# Altium PCB DDW_pcb.PcbDoc
Units mil, origin at the board's own origin, x right, y up, seen from the top; angles counter-clockwise.
Board outline 3622.05 x 2440.94 mil, 2 copper layers (Top Layer, Bottom Layer); 95 components, 67 nets, 383 pads, 160 vias.
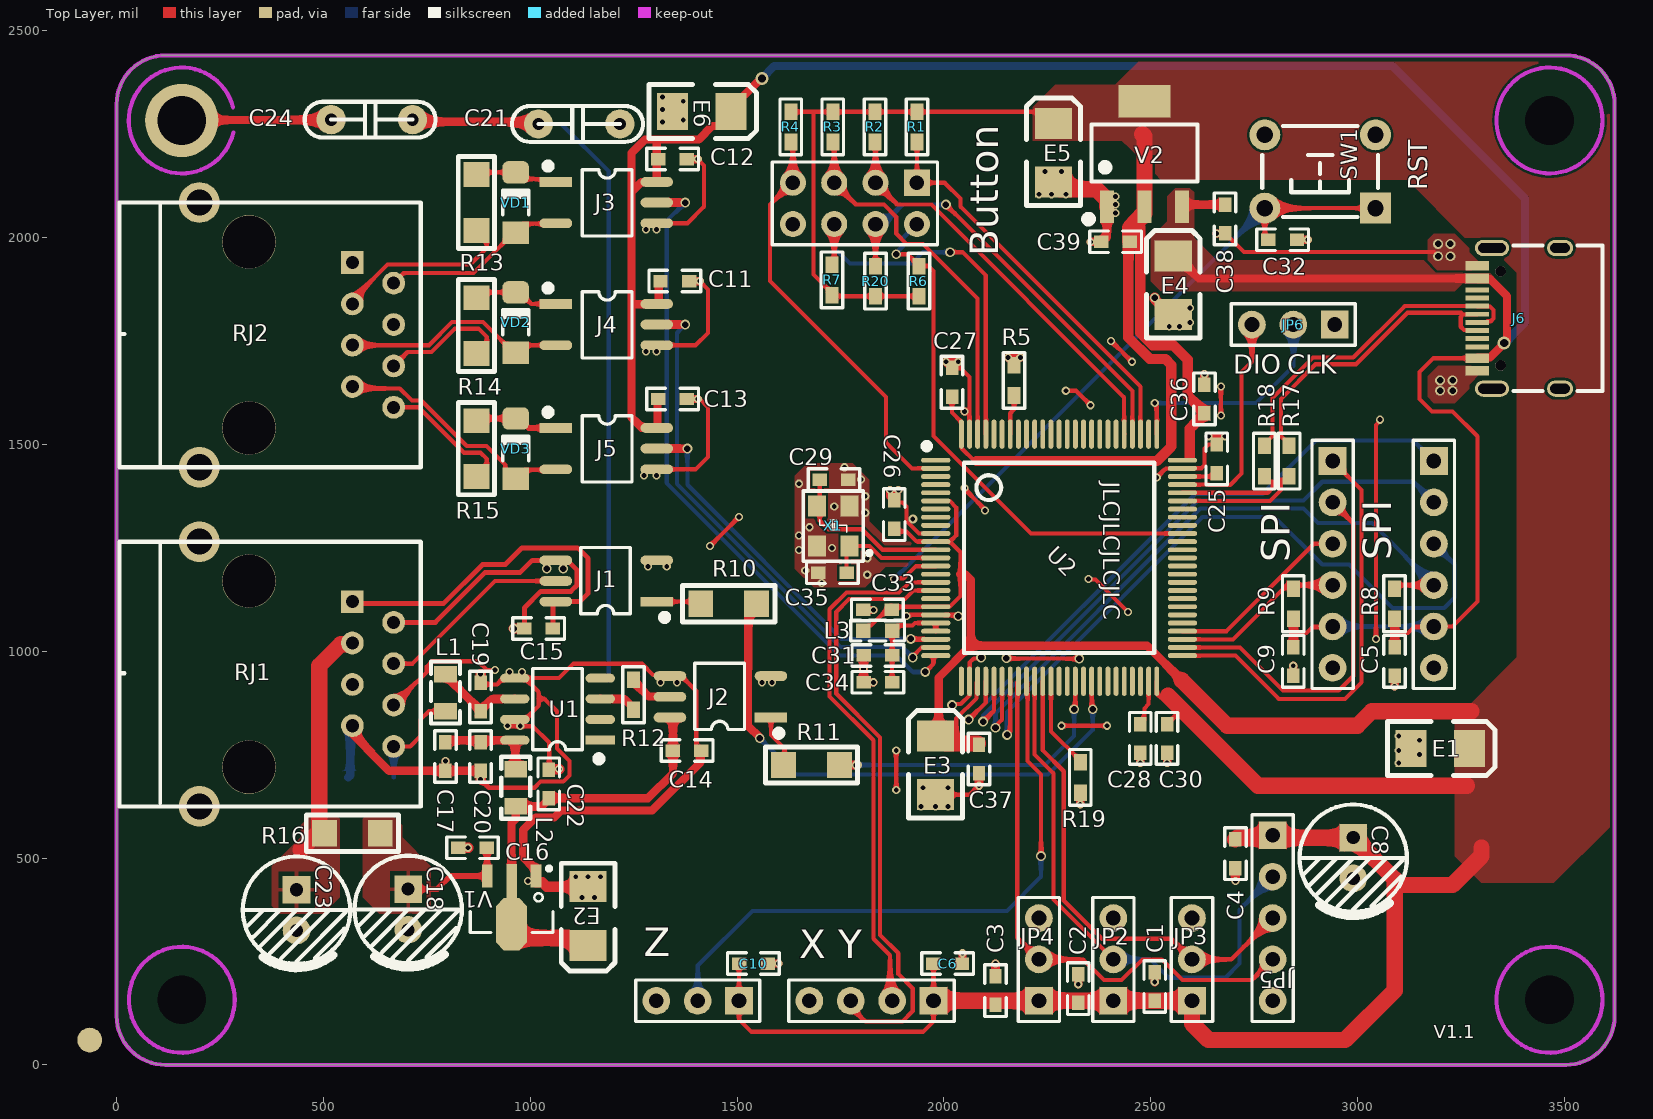
[diagram p0: Top Layer view]
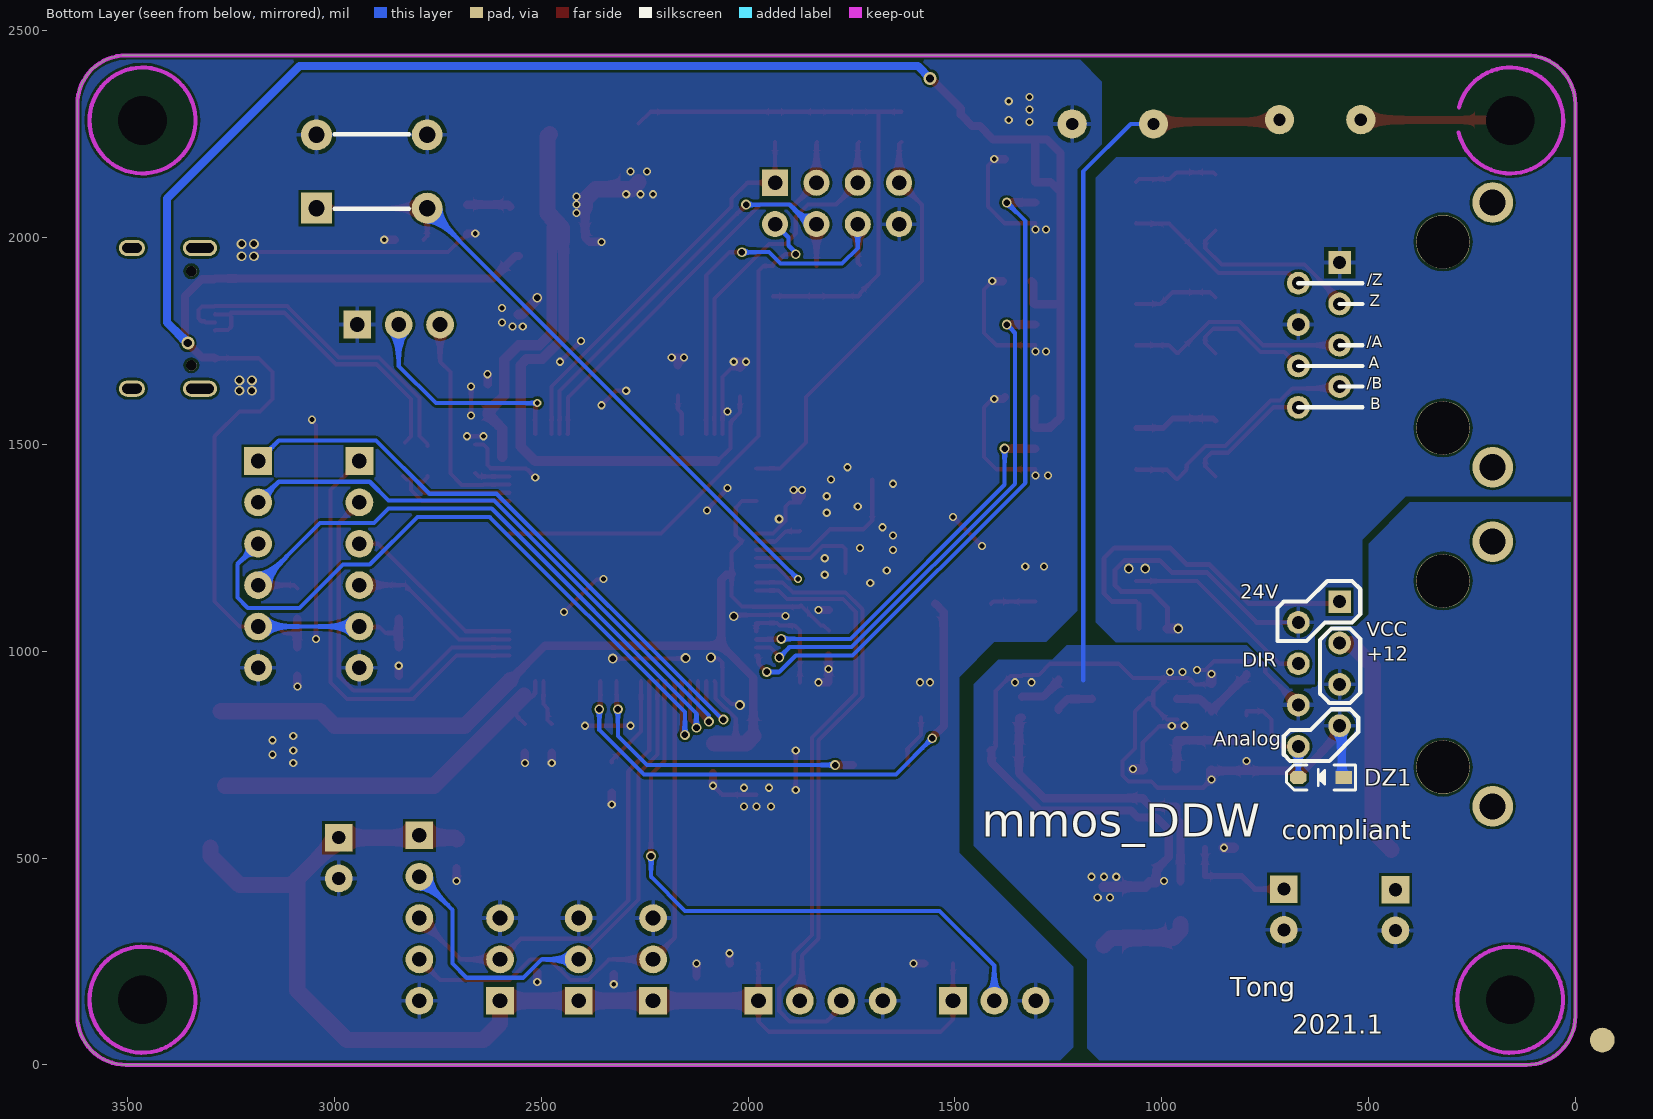
[diagram p1: Bottom Layer view, seen from below]

## Layer stack, top to bottom
Top Solder: solder mask 0.4, Solder Resist, Dk 3.5
Top Layer: signal copper 1.4
Dielectric 1: dielectric 12.6, FR-4, Dk 4.8
Bottom Layer: signal copper 1.4
Bottom Solder: solder mask 0.4, Solder Resist, Dk 3.5

## Board outline
0,118.11 ccw(c118.11,118.11) 118.11,0 3503.94,0 ccw(c3503.94,118.11) 3622.05,118.11 3622.05,2322.83 ccw(c3503.94,2322.83) 3503.94,2440.94 118.11,2440.94 ccw(c118.11,2322.83) 0,2322.83

## Design rules (kind name [scope] priority, off if disabled: settings)
Clearance [All] p1: gap=6 ignorepadtopadclearanceinfootprint=TRUE
PolygonConnect [All] p1: thpad.connectstyle=Relief thpad.reliefconductorwidth=10 thpad.reliefentries=4 thpad.polygonreliefangle="90 Angle" thpad.airgapwidth=10 smdpad.connectstyle=Direct smdpad.reliefconductorwidth=10 smdpad.reliefentries=4 smdpad.polygonreliefangle="90 Angle" smdpad.airgapwidth=10 via.connectstyle=Direct via.reliefconductorwidth=10 via.reliefentries=4 via.polygonreliefangle="90 Angle" via.airgapwidth=10
RoomDefinition DDW_sch [InComponentClass('DDW_sch')] p1: confinementstyle=ConfineIn formatcopy=TRUE lockcomponents=FALSE outline -910,-506.57 -1481,-506.57 -1481,385 -910,385
RoutingVias [All] p1: holewidth=28 width=50 viastyle="Through Hole" minholewidth=28 minwidth=50 maxholewidth=28 maxwidth=50
SolderMaskExpansion [All] p1: expansion=4
Width [All] p1: maxlimit=39.37 minlimit=10 preferedwidth=13.78
30 further rules are at their usual default settings.

## Components (designator, comment, footprint, x,y, rotation, side; value= is the part's Value field where it differs from the comment)
Button "Header 4X2" HDR-4X2 1935,2132.87 r180 top (schematic designator JP1)
C1 "104" "C 0603" 2510,190 r90 top
C2 "104" "C 0603" 2325,185 r90 top
C3 "104" "C 0603" 2125,180 r90 top
C4 "104" "C 0603" 2705,510 r270 top
C5 "104" "C 0603" 3090,975 r270 top
C6 "104" "C 0603" 2010,245 r0 top
C8 "470UF/10V" "CAP 2.5*6.3*11.2" 2990,500 r270 top
C9 "104" "C 0603" 2845,975 r270 top
C10 "104" "C 0603" 1540,245 r0 top
C11 "104" "C 0603" 1350,1895 r0 top
C12 "104" "C 0603" 1345,2190 r0 top
C13 "104" "C 0603" 1345,1610 r0 top
C14 "104" "C 0603" 1380,760 r0 top
C15 "104" "C 0603" 1020,1055 r180 top
C16 "104" "C 0603" 860,525 r180 top
C17 "4.7u" "C 0603" 795,745 r270 top
C18 "100UF/35V" "CAP 2.5*6.3*11.2" 705,375.79 r270 top
C19 "104" "C 0603" 880,890 r90 top
C20 "104" "C 0603" 880,745 r270 top
C21 "104" Y 1216.42,2274.57 r180 top
C22 "104" "C 0603" 1045,680 r90 top
C23 "100UF/35V" "CAP 2.5*6.3*11.2" 435,374.21 r270 top
C24 "104" Y 715,2285 r180 top
C25 "2.2u" "C 0603" 2660,1465 r270 top
C26 "104" "C 0603" 1880,1330 r270 top
C27 "104" "C 0603" 2020,1650 r270 top
C28 "2.2u" "C 0603" 2475,790 r90 top
C29 "10p" "C 0603" 1735,1415 r0 top
C30 "104" "C 0603" 2540,790 r90 top
C31 "104" "C 0603" 1840,990 r180 top
C32 "104" "C 0603" 2820,1995 r0 top
C33 "104" "C 0603" 1840,1100 r0 top
C34 "105" "C 0603" 1840,925 r180 top
C35 "10p" "C 0603" 1730,1190 r180 top
C36 "104" "C 0603" 2630,1610 r270 top
C37 "104" "C 0603" 2085,740 r90 top
C38 "104" "C 0603" 2680,2045 r270 top
C39 "104" "C 0603" 2415,1990 r180 top
DZ1 "SDxx" SOD-323 615,695 r0 bottom
E1 "10uF/10V" "CD B(3528)" 3200,765 r180 top
E2 "10uF/10V" "CD B(3528)" 1140,360 r90 top
E3 "10uF/10V" "CD B(3528)" 1980.01,724.13 r270 top
E4 "106" "CD B(3528)" 2555,1885 r270 top
E5 "106" "CD B(3528)" 2265,2205 r270 top
E6 "106" "CD B(3528)" 1415,2305 r180 top
J1 "TLP1788" SOP5 1184,1170 r180 top
J2 "TLP1788" SOP5 1460,890 r180 top
J3 "TLP1788" SOP5 1184,2085 r0 top
J4 "TLP1688" SOP5 1184,1790 r0 top
J5 "TLP1688" SOP5 1184,1490 r0 top
J6 "Typec16" "typec 16p" 3592.36,1805.08 r90 top
JP2 "HDR-1X3" HDR-1X3 2410,155 r90 top
JP3 "HDR-1X3" HDR-1X3 2600,155 r90 top
JP4 "HDR-1X3" HDR-1X3 2230,155 r90 top
JP5 "HDR-1X5" HDR-1X5 2795,555 r270 top
JP6 "HDR-1X3" HDR-1X3 2945,1790 r180 top
L1 "Bead" "L 0805" 795,900 r270 top
L2 "Bead" "L 0805" 965,670 r270 top
L3 "Bead" "L 0603" 1840,1050 r180 top
R1 "1K" Res-SMD-0603 1935,2267.87 r90 top
R2 "1K" Res-SMD-0603 1833.33,2267.87 r90 top
R3 "1K" Res-SMD-0603 1731.67,2267.87 r90 top
R4 "1K" Res-SMD-0603 1630,2267.87 r90 top
R5 "10K" Res-SMD-0603 2170,1655 r90 top
R6 "1K" Res-SMD-0603 1940,1895 r90 top
R7 "1K" Res-SMD-0603 1730,1897.87 r90 top
R8 "1K" Res-SMD-0603 3090,1115 r270 top
R9 "1K" Res-SMD-0603 2845,1115 r270 top
R10 "330" Res-SMD-1206 1480,1115 r180 top
R11 "330" Res-SMD-1206 1680,725 r180 top
R12 "47" Res-SMD-0603 1250,895 r270 top
R13 "470" Res-SMD-1206 870,2085 r270 top
R14 "470" Res-SMD-1206 870,1787.5 r270 top
R15 "470" Res-SMD-1206 870,1490 r270 top
R16 "3R3 or Bead" Res-SMD-1206 570,560 r180 top
R17 "0" Res-SMD-0603 2835,1460 r90 top
R18 "0" Res-SMD-0603 2775,1460 r90 top
R19 "10K" Res-SMD-0603 2330,695 r270 top
R20 "1K" Res-SMD-0603 1835,1895 r90 top
RJ1 "RJ45" RJ45-2 570,1120 r90 top
RJ2 "RJ45" RJ45-2 570,1940 r90 top
SPI "HDR-1X6" HDR-1X6 2940,1460 r270 top (schematic designator JP14)
SPI "HDR-1X6" HDR-1X6 3185,1460 r270 top (schematic designator JP8)
SW1 "6x6x5" "TSW DIP-6*6*5" 2910,2160 r180 top
U1 "GP8500" SOP8_N 1066,860 r180 top value=Value
U2 "STM32F407VET6" "TQFP100 14x14_N" 2278.74,1226 r270 top
V1 "7805" SOT89_N 955,380 r180 top
V2 "AMS1117-3V3" SOT223_N 2485,2205 r0 top
VD1 "1N4148" "MINI_MELF (LL34)" 965,2085 r90 top
VD2 "1N4148" "MINI_MELF (LL34)" 965,1795 r90 top
VD3 "1N4148" "MINI_MELF (LL34)" 965,1490 r90 top
X1 "8M" XTAL-3225 1770,1257.5 r180 top
"X Y" "HDR-1X4" HDR-1X4 1975,155 r180 top (schematic designator JP9)
Z "HDR-1X3" HDR-1X3 1505,155 r180 top (schematic designator JP13)

## Footprints (in the part's own frame and the unit in brackets; to place one, negate y for a bottom-side part, rotate by r counter-clockwise, add the part's x,y. Pads: shape width x height; smd on the part's side, far side on the other; paste and mask are expansions set on the pad)
"C 0603" [mil] "�޼�����Ƭ����"
  rect 35x30 smd: 1(-35,0) 2(34,0)
  silkscreen extent -63,-26 62,26, body extent -31,-16 31,16, height 32
"CAP 2.5*6.3*11.2" [mm] "�ž�2.5mmֱ��6.3mm�߶�11.2mm"
  rect 1.7x1.7 hole 0.8: A(-1.25,0)
  round 1.7 hole 0.8: K(1.25,0)
  silkscreen extent -3.3,-3.3 3.56,3.3, body extent -3.15,-3.15 3.16,3.15, height 11.23
"CD B(3528)" [mil] "��3.5mm����2.8mm����1.9mm"
  rect 75x90 smd: A(-70.87,-0.01) K(70.86,-0.01)
  silkscreen extent -133,-65 127,65, body extent -69,-55 69,55, height 75
HDR-1X3 [mm]
  rect 1.7x1.7 hole 0.9: 1(0,0)
  round 1.7 hole 0.9: 2(2.54,0) 3(5.08,0)
  silkscreen extent -1.27,-1.27 6.35,1.27, body extent -1.27,-1.27 6.35,1.27, height 8.5
HDR-1X4 [mm]
  rect 1.7x1.7 hole 0.9: 1(0,0)
  round 1.7 hole 0.9: 2(2.54,0) 3(5.08,0) 4(7.62,0)
  silkscreen extent -1.27,-1.27 8.89,1.27, body extent -1.27,-1.27 8.89,1.27, height 8.5
HDR-1X5 [mm]
  rect 1.7x1.7 hole 0.9: 1(0,0)
  round 1.7 hole 0.9: 2(2.54,0) 3(5.08,0) 4(7.62,0) 5(10.16,0)
  silkscreen extent -1.27,-1.27 11.43,1.27, body extent -1.27,-1.27 11.43,1.27, height 8.5
HDR-1X6 [mm]
  rect 1.7x1.7 hole 0.9: 1(0,0)
  round 1.7 hole 0.9: 2(2.54,0) 3(5.08,0) 4(7.62,0) 5(10.16,0) 6(12.7,0)
  silkscreen extent -1.27,-1.27 13.97,1.27, body extent -1.27,-1.27 13.97,1.27, height 8.5
HDR-4X2 [mm]
  rect 1.6x1.6 hole 0.9: 1(0,0)
  round 1.6 hole 0.9: 2(0,2.54) 3(2.54,0) 4(2.54,2.54) 5(5.08,0) 6(5.08,2.54) 7(7.62,0) 8(7.62,2.54)
  silkscreen extent -1.27,-1.27 8.89,3.81, body extent -1.27,-1.27 8.89,3.81, height 8.5
"L 0603" [mil] "С������Ƭ���"
  rect 35x35 smd: 1(-35,0) 2(35,0)
  silkscreen extent -65,-25 65,25, body extent -31,-16 31,16, height 31
"L 0805" [mil] "С������Ƭ���"
  rect 40x55 smd: 1(-45,0) 2(45,0)
  silkscreen extent -75,-35 75,35, body extent -39,-24 39,24, height 35
"MINI_MELF (LL34)" [mm] "1.5*3.4mm(ֱ�����žࣩ"
  rect 1.37x1.62 smd: 1(-1.855,0)
  rrect50% 1.37x1.62 smd: 2(1.855,0)
  silkscreen extent -0.76,-0.8 0.78,0.8, body extent -1.7,-0.75 1.7,0.75, height 1.5
Res-SMD-0603 [mil] "1/10W��Ƭ����"
  rect 40x31.5 smd: 1(-36.5,0) 2(36.5,0)
  silkscreen extent -68,-26 68,26, body extent -31,-16 32,16, height 16
Res-SMD-1206 [mil] "1/4W��Ƭ����"
  rect 60x62.99 smd: 1(-67.5,0) 2(67.5,0)
  silkscreen extent -112,-44 112,44, body extent -63,-31 63,32, height 22
RJ45-2 [mil]
  rect 55x55 hole 31.5: 1(0,0)
  round 55 hole 31.5: 2(-50,-100) 3(-100,0) 4(-150,-100) 5(-200,0) 6(-250,-100) 7(-300,0) 8(-350,-100)
  round 130 hole 127.95 unplated: 9(50,250) 10(-400,250)
  round 98.42 hole 62.99: 11(145,370) 12(-495,370)
  silkscreen extent -495,-165 145,563, body extent -490,-172 140,556, height 128
SOD-323 [mm] "1.8x1.3X0.9mm������ߣ����������ţ�"
  rect 1x0.8 smd: 1(-1.4,0)
  oct 1x0.8 smd: 2(1.4,0)
  silkscreen extent -2.11,-0.76 2.11,0.76, body extent -1.34,-0.63 1.31,0.67, height 1
SOP5 [mm]
  rect 2x0.6 smd: 1(-3.1,1.27)
  oval 2x0.6 smd: 3(-3.1,-1.27) 4(3.1,-1.27) 5(3.1,0) 6(3.1,1.27)
  silkscreen extent -3.74,-2.05 1.57,2.39, body extent -3.4,-2.15 3.4,2.15, height 1.9
SOP8_N [mm] "5*6*1.8mm（长宽高）"
  rect 1.8x0.55 smd: 1(-2.625,1.905)
  oval 1.8x0.55 smd: 2(-2.625,0.635) 3(-2.625,-0.635) 4(-2.625,-1.905) 5(2.625,-1.905) 6(2.625,-0.635) 7(2.625,0.635) 8(2.625,1.905)
  silkscreen extent -2.69,-2.5 1.52,3.2, body extent -3,-2.5 3,2.5, height 1.9
SOT89_N [mm] "4.6x4.3x1.6mm(锟斤拷锟斤拷锟?"
  rect 0.65x1.4 smd: 1(-1.5,-1.952) 3(1.5,-1.952)
  oct 1.9x3.2 smd: 2(0,1.016)
  rect 0.65x2.1 smd: 2(0,-1.626)
  silkscreen extent -2.54,-2.52 2.54,1.52, body extent -2.3,-2.4 2.3,1.9, height 1.6
SOT223_N [mm] "6.4x7x1.6mm(锟斤拷锟斤拷锟?"
  rect 0.85x2 smd: 1(-2.3,-3.302) 2(0,-3.302) 3(2.3,-3.302)
  rect 3.2x2 smd: 2(0,3.175)
  silkscreen extent -3.63,-4.26 3.25,1.75, body extent -3.25,-3.51 3.25,3.51, height 1.65
"TQFP100 14x14_N" [mm] "100�ţ�����14x14mm, �žࣺ0.5mm"
  oval 0.3x1.8 smd: 1(-5.995,-7.575) 2(-5.495,-7.575) 3(-4.995,-7.575) 4(-4.495,-7.575) 5(-3.995,-7.575) 6(-3.495,-7.575) 7(-2.995,-7.575) 8(-2.495,-7.575) 9(-1.995,-7.575) 10(-1.495,-7.575) 11(-0.995,-7.575) 12(-0.495,-7.575) 13(0.005,-7.575) 14(0.505,-7.575) 15(1.005,-7.575) 16(1.505,-7.575) 17(2.005,-7.575) 18(2.505,-7.575) 19(3.005,-7.575) 20(3.505,-7.575) 21(4.005,-7.575) 22(4.505,-7.575) 23(5.005,-7.575) 24(5.505,-7.575) 25(6.005,-7.575) 51(6.005,7.575) 52(5.505,7.575) 53(5.005,7.575) 54(4.505,7.575) 55(4.005,7.575) 56(3.505,7.575) 57(3.005,7.575) 58(2.505,7.575) 59(2.005,7.575) 60(1.505,7.575) 61(1.005,7.575) 62(0.505,7.575) 63(0.005,7.575) 64(-0.495,7.575) 65(-0.995,7.575) 66(-1.495,7.575) 67(-1.995,7.575) 68(-2.495,7.575) 69(-2.995,7.575) 70(-3.495,7.575) 71(-3.995,7.575) 72(-4.495,7.575) 73(-4.995,7.575) 74(-5.495,7.575) 75(-5.995,7.575)
  oval 1.8x0.3 smd: 26(7.58,-6) 27(7.58,-5.5) 28(7.58,-5) 29(7.58,-4.5) 30(7.58,-4) 31(7.58,-3.5) 32(7.58,-3) 33(7.58,-2.5) 34(7.58,-2) 35(7.58,-1.5) 36(7.58,-1) 37(7.58,-0.5) 38(7.58,0) 39(7.58,0.5) 40(7.58,1) 41(7.58,1.5) 42(7.58,2) 43(7.58,2.5) 44(7.58,3) 45(7.58,3.5) 46(7.58,4) 47(7.58,4.5) 48(7.58,5) 49(7.58,5.5) 50(7.58,6) 76(-7.595,6) 77(-7.595,5.5) 78(-7.595,5) 79(-7.595,4.5) 80(-7.595,4) 81(-7.595,3.5) 82(-7.595,3) 83(-7.595,2.5) 84(-7.595,2) 85(-7.595,1.5) 86(-7.595,1) 87(-7.595,0.5) 88(-7.595,0) 89(-7.595,-0.5) 90(-7.595,-1) 91(-7.595,-1.5) 92(-7.595,-2) 93(-7.595,-2.5) 94(-7.595,-3) 95(-7.595,-3.5) 96(-7.595,-4) 97(-7.595,-4.5) 98(-7.595,-5) 99(-7.595,-5.5) 100(-7.595,-6)
  silkscreen extent -6.98,-8.25 5.85,5.84, body extent -8,-8 8.01,8, height 1.05
"TSW DIP-6*6*5" [mm] "6*6*5mm"
  rect 1.9x1.9 hole 1: 1(-3.4,2.25)
  round 1.9 hole 1: 2(-3.4,-2.25) 3(3.4,-2.25) 4(3.4,2.25)
  silkscreen extent -3.56,-2.79 3.56,2.79, body extent -4.11,-3 4.11,3, height 4.95
"typec 16p" [mm]
  rect 0.6x1.45 smd: 1(-3.225,7.695) 2(-2.45,7.695) 7(2.45,7.695) 8(3.225,7.695)
  rect 0.3x1.45 smd: 3(-1.25,7.695) 4(-0.25,7.695) 5(0.25,7.695) 6(1.25,7.695) 11(-1.75,7.695) 12(-0.75,7.695) 13(0.75,7.695) 14(1.75,7.695)
  oval 1x2.1 hole 0.6 slot 1.7 at 90 deg: ""(-4.32,6.78) ""(4.32,6.78)
  oval 1x1.6 hole 0.6 slot 1.2 at 90 deg: ""(-4.32,2.6) ""(4.32,2.6)
  round 0.65 hole 0.65 unplated: ""(-2.89,6.25) ""(2.89,6.25)
  silkscreen extent -4.47,0 4.47,5.46
XTAL-3225 [mil]
  rect 43.31x51.18 smd: 1(-2,3) 2(-2,-94) 3(77,-94) 4(77,3)
  silkscreen extent -55,-130 110,40, body extent -13,-108 85,18, height 31
Y [mm]
  round 1.8 hole 0.762: 1(-0.011,-0.011) 2(4.989,-0.011)
  silkscreen extent -1.43,-1.11 6.61,1.09, body extent -1.41,-1.27 6.59,1.24, height 11

## Part data
Button: "4*2P接插件", BOM名称=4*2P接插件, 学习资源=www.ooocke.com, 版权归属=源创客
C1 C2 C3 C4 C5 C6 C9 C10 C11 C12 C13 C14 C15 C16 C17 C19 C20 C21 C22 C24 C25 C26 C27 C28 C29 C30 C31 C32 C33 C34 C35 C36 C37 C38 C39: library part Cap-CER-SMD, "瓷片电容-贴片"
C8 C18 C23: library part Cap-AE-RAD, "铝电解电容-直插"
DZ1: "TVS", BOM名称=3V/0.5W稳压管, 学习资源=www.ooocke.com, 版权归属=源创客
E1 E2 E3 E4 E5 E6: library part Cap-TAN-SMD, "钽电解电容-贴片"
J1 J2 J4 J5: "光耦", BOM名称=光耦, 学习资源=www.ooocke.com, 版权归属=源创客
J3: library part TLP181, "光耦", BOM名称=光耦, 学习资源=www.ooocke.com, 版权归属=源创客
JP2 JP3 JP4 JP6 Z: library part "Header 3", "3P接插件", BOM名称=3P接插件, 学习资源=www.ooocke.com, 版权归属=源创客
JP5: library part "Header 5", "5P接插件", BOM名称=5P接插件, 学习资源=www.ooocke.com, 版权归属=源创客
L2: library part Ind-Beads-SMD
R1 R2 R3 R4 R5 R6 R7 R8 R9 R10 R11 R12 R13 R14 R15 R16 R17 R18 R19 R20: library part Res-Fixed-SMD, "固定电阻器-贴片"
RJ1 RJ2: "以太网接口", BOM名称=以太网接口, 学习资源=www.ooocke.com, 版权归属=源创客
SPI SPI: library part "Header 6", "6P接插件", BOM名称=6P接插件, 学习资源=www.ooocke.com, 版权归属=源创客
SW1: library part "TSW DIP-6x6", "直插6x6轻触开关", BOM名称=直插6x6轻触开关, 学习资源=www.ooocke.com, 版权归属=源创客
U1: "PAC", Manufacturer_Part_Number=ltc2644ims-l12#pbf, RefDes=RefDes, Type=Type, Vendor="Linear Technology"
U2: "No Description Available", Built_By=EMA_UL_Team, Copyright="Copyright (C) 2018 Accelerated Designs. All rights reserved", Manufacturer_Part_Number=STM32F407VET6, RefDes=RefDes, SourceLibrary=Updates_to_database_2020-10-19, Type=DEV, Vendor=STMicroelectronics
V1 V2: library part 78LDO, "三端稳压芯片", BOM名称=稳压芯片, 学习资源=www.ooocke.com, 版权归属=源创客
VD1 VD2 VD3: "高速开关二极管", BOM名称=高速开关二极管, 学习资源=www.ooocke.com, 版权归属=源创客
X1: library part XTAL-4, "4脚晶振", BOM名称=4脚晶振, 学习资源=www.ooocke.com, 版权归属=源创客
"X Y": library part "Header 4", "4P接插件", BOM名称=4P接插件, 学习资源=www.ooocke.com, 版权归属=源创客

## Free pads (board coordinates)
  round 60 hole 118.11 unplated: 2(157.48,157.48) 2(157.48,2283.46) 2(3464.57,157.48) 2(3464.57,2283.46)
  round 177.17 smd: 2(157.48,2283.46)
  round 60 all layers, no hole: 3(-65,60)

## Via types
v1: diameter 19.68, hole 11.81, Top Layer to Bottom Layer, 122 vias
v2: diameter 23.62, hole 15.75, Top Layer to Bottom Layer, 35 vias
v3: diameter 31.5, hole 19.68, Top Layer to Bottom Layer, 2 vias
v4: diameter 21.65, hole 11.81, Top Layer to Bottom Layer, 1 vias

## Nets (pads, with @x,y where several pads share a name; then routed paths per layer and width w, separated by ;. In a path a pad name is that pad's centre, name@x,y a point inside that pad or via, vN(x,y) a via of type N, cw(c..) or ccw(c..) an arc to the next point about the centre after c; other vN are vias at no path point)
3V3: "X Y.1" C1.1 C2.1 C3.1 C4.1 C6.1 C8.A C10.1 C26.2 C27.2 C30.2 C33.2 C36.2 C37.2 C39.1 E1.A E3.A E5.A JP2.1 JP3.1 JP4.1 JP5.1 L3.2 R1.2 R2.2 R3.2 R4.2 R6.1 R7.1 R20.1 U2.6 U2.11 U2.19 U2.28 U2.50 U2.75 U2.100 V2.2 Z.1 | length 10094.6
  Top Layer w10: C10.1 Z.1 1505,110 1535,80 1950,80 1975,105 1975,155 C6.1 C6.1@1977.5,245 ; R4.2 R3.2 R2.2 R1.2 2236.49,2304.37 E5.A ; 1685,2300 1685,1910.63 1730,1865.63 R7.1 1732.87,1858.5 R20.1 R6.1 ; L3.2 1817.5,1062.5 1824,1062.5 1871.5,1110 1874,1110 1876.32,1107.68 U2.19 1989.65,1107.68 1990,1108.02 2014.63,1108.02 2040,1133.4 2040,1186.42 2040,1239.44 2014.62,1264.81 2030,1280.19 2030,1347.86 2014.63,1363.24 1980.87,1363.24 U2.6 ; C26.2@1875,1291 1876,1290 1910,1290 1934.5,1265.5 1951.14,1265.5 1951.49,1265.16 U2.11 ; C27.2 2020,1577.05 2042.52,1554.53 U2.100 2042.87,1524.65 2042.87,1490.9 2073.77,1460 2080,1460 ; 2030,777.11 2030,837.26 2079.11,886.37 2079.11,924.79 U2.28 ; C37.2@2081.89,777.11 C37.2 ; U2.50 2514.96,898.05 2560,853.01 2560,844 C30.2
  Top Layer w20: E3.A 1987.5,795 1987.5,936.03 2065,1013.53 ; 2040,1186.42 2041.42,1185 2053.28,1185 2065,1173.28 2065,1013.53 ; 2066.47,1015 2065,1013.53 ; 2575,930 2491.47,1013.53 2065,1013.53
  Top Layer w25: 2080,1460 2515,1460 2550,1495 2550,1692.23 2535.36,1706.88 2498.12,1706.88 2446.25,1758.75 C39.1@2446.25,1991.25 ; 2475,2025 2475,1770 2505,1740 2555,1740 2590,1705 2590,1618.5 2630,1578.5 C36.2 2630,1573.5 2595,1538.5 2595,1470
  Top Layer w39.37: 1975,155 JP4.1 JP2.1 C1.1 2581.94,155 2600,136.94 2600,100 2640,60 2970,60 3090,180 3090,449.21 ; E3.A@1987.5,795 2005.39,777.11 2030,777.11 C37.2@2081.89,777.11 ; C39.1 2450,2023.27 2485,2058.27 2485,2075 2485,2245 2480,2250 ; 2542.25,892.25 2759.5,675 3265,675 ; 2575,930 2685,820 3000,820 3035,855 3275,855 ; C4.1 2709.21,549.21 C8.A 3090,449.21 ; 3300,525 3300,505 3230,435 3104.21,435 3090,449.21
5V: C5.1 C9.1 C11.1 C12.1 C13.1 C38.1 E4.A E6.A J3.6 J4.6 J5.6 J6.2 J6.7 R8.2 R9.2 SPI.5 V2.3 | length 6505.3
  Top Layer w10: C13.1@1306.05,1611.05 C13.1@1310,1615 ; 2845,1044.25 2876.92,1044.25 2891.54,1058.86 2938.86,1058.86 SPI.5@2940,1060 ; 3090,1044.25 3121.92,1044.25 3136.54,1058.86 3183.86,1058.86 3185,1060 3230,1060 3290,1120 3290,1520 3230,1580 3180,1580 3150,1610 3150,1675 3183.62,1708.62 J6.2
  Top Layer w20: C13.1@1306.05,1611.05 1308.02,1609.07 1308.02,1541.67 1306.35,1540 J5.6 1305.36,1540.69 1269.31,1540.69 1245,1565 1245,1835 ; 1306.05,2235 J3.6 1305.36,2134.31 1269.31,2134.31 1245,2110 ; C11.1 1310.52,1890.52 1310.52,1841.67 1308.85,1840 J4.6 1305.36,1839.31 1249.31,1839.31 1245,1835 ; v3(1560,2385) 1558.37,2385 1485.87,2312.51 E6.A 1485.87,2297.51 1458.37,2270.01 1440.01,2270.01 1407.5,2237.5 1277.5,2237.5 1245,2205 1245,2110 ; E4.A 2562.49,1955.87 2616.83,1901.54 J6.7 3291.22,1899.72 3320.74,1899.72 3361.91,1858.56 3361.91,1751.6 3320.74,1710.43 3291.22,1710.43 J6.2 ; V2.3 2580.55,2080 C38.1 ; C9.1 2845,1044.25 R9.2 ; C5.1 3090,1044.25 R8.2 ; 1245,1835 1245,2110
  Bottom Layer w10: SPI.5@2940,1060 SPI.5@3185,1060
  Bottom Layer w20: v3(1560,2385) 1590,2415 3085,2415 3405,2095 3405,1795 v3(3355,1745)
/OA: J4.3 RJ2.5 VD2.1 | length 553.3
  Top Layer w10: RJ2.5 755,1740 811,1796 886.05,1796 960.08,1721.97 VD2.1 983.03,1740 J4.3
/OB: J5.3 RJ2.7 VD3.1 | length 600.4
  Top Layer w10: RJ2.7 574.5,1635.5 684.5,1635.5 714,1606 736.63,1606 846.63,1496 894,1496 940,1450 940,1438.94 961.97,1416.97 VD3.1 986.97,1438.94 1060.89,1438.94 J5.3
/OZ: J3.3 RJ2.2 VD1.1 | length 452
  Top Layer w10: RJ2.2 694,1914 696.63,1914 697.63,1915 863.11,1915 982.05,2033.94 1060.89,2033.94 J3.3
Analog: DZ1.2 L1.2 RJ1.8 | length 268.7
  Top Layer w10: RJ1.8 710,770 735,795 735,835 755,855 L1.2 L1.2@795,845
  Bottom Layer w10: RJ1.8 670.06,769.94 670.06,695.06 DZ1.2
COM-: C15.2 J1.4 RJ1.2 RJ2.1 RJ2.4 | length 777.7
  Top Layer w12: RJ1.2 770.46,1070 890.46,1190 975,1190 1005,1220 J1.4 1089.51,1220 1113.32,1196.19 1113.32,1160.14 1098.18,1145 1025.72,1145 986,1105.28 C15.2
  Top Layer w25: v2(960,1055) C15.2
  other v2: 1040,1200 1080,1200
DIR: J1.5 RJ1.4 | length 474.8
  Top Layer w10: RJ1.4 715,970 915,1170 J1.5
GGND: C24.2 pad.2@157.48,2283.46 | length 361.9
  Top Layer w20: pad.2@157.48,2283.46 158.47,2284.45 517.6,2284.45 C24.2
GND1: "X Y.4" Button.8 C1.2 C2.2 C3.2 C4.2 C5.2 C6.2 C8.K C9.2 C10.2 C11.2 C12.2 C13.2 C21.1 C25.1 C26.1 C27.1 C28.1 C29.2 C30.1 C31.2 C32.2 C33.1 C34.2 C35.2 C36.1 C37.1 C38.2 C39.2 E1.K E3.K E4.K E5.K E6.K J1.3 J2.3 J3.4 J4.4 J5.4 J6.1 J6.8 JP2.3 JP3.3 JP4.3 JP5.5 JP6.1 R5.2 R19.2 SPI.6 SW1.2 SW1.3 U2.10 U2.20 U2.27 U2.74 U2.99 V2.1 X1.2 X1.4 Z.3 | length 4875.3
  Top Layer w10: J5.4 1400,1440 1430,1470 1430,1590 1410,1610 v1(1405,1610) ; J4.4 1400,1740 1430,1770 1430,1875 v1(1410,1895) ; J3.4 1380,2035 1420,2075 1420,2175 v1(1405,2190) ; v1(1435,1255) v1(1505,1325) ; C26.1@1875,1360 1900,1360 1910,1350 1910,1315 1939.81,1285.19 1980.18,1285.19 U2.10 ; v1(1885,665) v1(1885,760) ; v1(1910,1085) 1912.62,1085 1915.61,1087.99 U2.20 1980.87,1087.65 2028.67,1087.65 2031.31,1085 v2(2035,1085) ; E3.K 2063.27,653.27 v1(2085,675) ; v2(2020,870) 2022.61,872.61 2040.99,872.61 2061.86,893.48 2061.86,927.23 U2.27 2062.55,927.92 2062.55,972.55 2072.39,982.39 2087.39,982.39 v2(2090,985) ; C27.1 2040,1685 2062.2,1662.8 U2.99 ; v1(2050,1395) 2050,1392.5 2100,1342.5 v1(2100,1340) ; v2(2151.33,983.67) 2152.66,982.34 v2(2327.66,982.34) ; v1(2285,820) v1(2395,820) ; v1(2295,1630) 2320,1630 v1(2355,1595) ; v1(2350,1175) 2351.85,1173.15 2366.85,1173.15 v1(2445,1095) ; v1(2404.38,1750) 2405,1750 v1(2455,1700) ; v1(2515,1420) 2536.98,1441.98 2576.61,1441.98 U2.74 2577.3,1442.67 2622.67,1442.67 2630,1450 2630,1490 2640,1500 C25.1 ; v1(2640,1520) v1(2680,1520) ; v1(2670,1570) v1(2670,1640) ; C38.2@2680,2008.5 2690,1998.5 2692.5,1998.5 2726,1965 3185,1965 v2(3195,1955) ; v1(3045,1030) 3045,1547.38 3055,1557.38 v1(3055,1560)
  Top Layer w20: C13.2@1379,1615 1384,1610 v1(1405,1610) ; C12.2 v1(1405,2190) ; C11.2 v1(1410,1895) ; C10.2 v1(1600,245) ; C33.1 v1(1830,1100) ; C31.2 v1(1806,957.5) C34.2 v1(1830,925) ; v1(1870,1390) 1870,1375 C26.1 1885,1370 1885,1385 v1(1890,1390) ; C27.1 v1(2005,1700) v1(2035,1700) ; C6.2 2045,246 v1(2045,270) ; v1(2050,1580) v1@2055,1580 ; v1(2085,675) C37.1 ; C3.2 v1(2125,245) ; R5.2 2170,1695.75 2155.75,1710 v1(2185,1710) ; v1(2325,195) C2.2 ; v1(2330,630) R19.2 ; v1(2355,1990) C39.2 2383.5,1990 2394.45,2000.95 V2.1 ; v1(2475,730) C28.1 ; v1(2510,200) C1.2 ; v1(2540,730) C30.1 ; C36.1 v1(2630,1670) ; v1(2660,2010) 2678.5,2010 C38.2@2680,2008.5 ; v1(2705,445) C4.2 ; C9.2 v1(2845,965) ; C32.2 v1(2880,1995) ; v1(3090,915) C5.2
  Top Layer w25: v2(2510,1855) 2510,1851.63 2547.49,1814.14 E4.K
  Top Layer w39.37: E5.K 2282,2117.13 2369.05,2117.13 2394.45,2091.73 V2.1
  other v1: 1945,625 1980,625 2010,625 1950,670 2010,670 3100,730 3150,750 3100,760 3150,785 3100,795 1560,925 1585,925 1705,1165 1815,1185 1665,1195 1285,1205 1330,1205 1815,1225 1650,1245 1730,1250 1650,1280 1675,1300 1810,1335 1735,1350 1810,1375 1650,1405 1800,1415 1275,1425 1305,1425 1760,1445 2155,1710 1280,1725 1305,1725 2545,1785 2570,1785 2595,1795 2595,1830 1280,2020 1305,2020 2415,2060 2415,2080 2415,2100 2230,2105 2260,2105 2295,2105 2245,2160 2285,2160 1320,2280 1370,2285 1320,2310 1370,2330 1320,2340
  other v2: 3200,1630 3230,1630 3200,1655 3230,1655 3225,1955 3195,1985 3225,1985
  other v4: 1925,1320
GND2: C14.2 C16.2 C17.2 C18.K C19.2 C20.2 C21.2 C22.2 C23.K C24.1 DZ1.1 E2.K J2.4 RJ1.5 RJ1.6 RJ1.7 U1.5 U1.7 V1.1 | length 4982.1
  Top Layer w10: RJ1.6 750,950 750,963.06 762.94,976 874,976 895,955 v1(915,955) ; v1(880,690) 900,670 1010,670 1025,685 1080,685 1095,700 1095,735 1065,765 1065,855 1035,885 1020,885 ; C19.2 884,920 920,920 935,935 U1.5 U1.5@987.26,935 ; v1(945,820) 946,819 v1(976,819) 1006,819 1046,779 C22.2@1046,715 ; U1.7 987.26,835 1020,867.74 1020,885 ; C14.2@1411.5,760 1401.5,770 1401.5,904.01 1365.51,940 J2.4 1335.35,942.61 1297.39,942.61 1270,970 1105,970 1070,935 U1.5@987.26,935 ; U1.5@987.26,935 1020,902.26 1020,885
  Top Layer w20: RJ1.7 570,800 659,711 C17.2 ; C24.1 720.65,2280.22 1014.78,2280.22 C21.2 ; v1(795,735) C17.2 ; C20.2 C17.2 ; V1.1 1014.06,471.63 982.98,502.71 982.98,567.98 1013.11,598.11 1058.11,598.11 1075,615 1295,615 1411.5,731.5 1411.5,760 C14.2
  Top Layer w25: C16.2 v1(850,525) ; v1(880,690) C20.2 ; C19.2 v1(880,945) ; V1.1 1014.06,442.1 1014.35,441.81 1029.12,441.81 1040.06,430.86 E2.K ; C22.2@1046,715 v1(1070,715)
  Bottom Layer w10: C21.2 1075,2275 1190,2160 1190,930
  Bottom Layer w20: DZ1.1 564.94,700.06 564.94,814.94 RJ1.7
  other v1: 1125,405 1155,405 995,445 1110,455 1140,455 1170,455 1315,925 1355,925 950,950 980,950
NetC16_1: C16.1 C18.A R16.1 V1.3 | length 272.7
  Top Layer w13.78: C18.A 775,425 806.87,456.87 V1.3 895.47,457.34 895.47,524.53 C16.1
NetC17_1: C17.1 C20.1 L2.1 U1.8 | length 240.9
  Top Layer w20: C17.1 799.68,784.68 962.34,784.68 U1.8 963.06,785 963.83,784.24 963.83,716.17 L2.1
NetC19_1: C19.1 L1.1 U1.6 | length 220
  Top Layer w20: L1.1 795,941.72 C19.1@880,856.72 ; C19.1 C19.1@880,856.72 ; U1.6 962.34,884.68 907.18,884.68 880,857.5 C19.1@880,856.72
NetC25_2: C25.2 U2.73 | length 86.5
  Top Layer w10: U2.73 2651.64,1422.64 C25.2
NetC28_2: C28.2 U2.49 | length 112
  Top Layer w10: C28.2 2485,834 2485,861.89 2495.28,872.17 U2.49
NetC29_1: C29.1 U2.12 X1.3 | length 408.8
  Top Layer w10: C29.1 1700,1351.5 1700,1315.86 1720.86,1295 1802.63,1295 1852.16,1245.47 U2.12
NetC32_1: C32.1 SW1.1 SW1.4 U2.14 | length 1721.8
  Top Layer w10: v1(1880,1175) 1881.85,1176.85 1904.23,1176.85 1933.13,1205.76 1980.18,1205.76 U2.14 ; C32.1 2776.14,2003.86 SW1.4 SW1.1
  Bottom Layer w10: v1(1880,1175) 1880.28,1175 SW1.4@2771.42,2066.14
NetC35_1: C35.1 U2.13 X1.1 | length 287.8
  Top Layer w10: C35.1 1765,1247.5 X1.1 1820.5,1254.5 1849.21,1225.79 U2.13
NetJ1_1: J1.1 R10.2 | length 108.5
  Top Layer w10: J1.1 1407.5,1120 R10.2
NetJ2_1: J2.1 R11.2 | length 129.7
  Top Layer w10: J2.1 1582.05,797.95 1615,765 1615,727.5 R11.2
NetJ2_5: J2.5 R12.1 | length 107.6
  Top Layer w20: R12.1 1250,927.25 1286.56,890.69 1337.26,890.69 J2.5
NetJ3_1: J3.1 R13.1 VD1.2 | length 203.8
  Top Layer w10: R13.1 875.53,2158.03 VD1.2 981.22,2141.81 1055.14,2141.81 J3.1
NetJ4_1: J4.1 R14.1 VD2.2 | length 209
  Top Layer w10: R14.1 883.03,1868.03 VD2.2 974.51,1868.03 1002.54,1840 J4.1
NetJ5_1: J5.1 R15.1 VD3.2 | length 203.8
  Top Layer w13.78: R15.1 875.53,1563.03 VD3.2 973.49,1563.03 996.52,1540 J5.1
NetJ6_4: J6.4 J6.13 R18.2 | length 818.4
  Top Layer w10: R18.2 2775,1500.75 2795,1520.75 2795,1612.63 2892.37,1710 2990,1710 3114.61,1834.61 J6.13 3290.32,1833.7 3320.64,1833.7 3328.95,1825.38 3328.95,1804.46 3322.51,1798.02 3314.83,1798.02 3312.05,1795.24 J6.4
NetJ6_5: J6.5 J6.12 R17.2 | length 749.2
  Top Layer w10: R17.2@2830,1505 2815,1520 2815,1610 2899,1694 2996.63,1694 3121.23,1818.61 3250.88,1818.61 3255.47,1814.02 ; J6.12 3288.5,1776.46 3258.18,1776.46 3249.87,1784.77 3249.87,1808.41 3255.47,1814.02 ; J6.5 3288.5,1814.02 3255.47,1814.02
NetR5_1: R5.1 U2.94 | length 97.4
  Top Layer w10: U2.94 2160.63,1575.63 2170,1585 R5.1
NetR12_2: R12.2 U1.3 | length 94.1
  Top Layer w20: U1.3 1169.66,884.68 1228.07,884.68 1250,862.75 R12.2
NetR19_1: R19.1 U2.37 | length 225.5
  Top Layer w10: U2.37 2259.06,877.14 2259.25,876.95 2259.25,806.5 2330,735.75 R19.1
OA: R14.2 RJ2.6 | length 320.9
  Top Layer w10: RJ2.6 704,1724 761.63,1724 817.63,1780 875,1780 895,1760 895,1745 R14.2
OB: R15.2 RJ2.8 | length 329.6
  Top Layer w10: RJ2.8 730,1590 840,1480 880,1480 895,1465 895,1447.5 R15.2
OZ: R13.2 RJ2.3 | length 439.6
  Top Layer w10: RJ2.3 570,1850 655,1935 855,1935 895,1975 895,1992.5 R13.2
PA0_A: J5.5 U2.23 | length 916.6
  Top Layer w11.81: v2(1920,1030) 1921.06,1028.94 U2.23
  Top Layer w20: J5.5 v2(1380,1490)
  Bottom Layer w10: v2(1380,1490) 1380,1402.63 1752.63,1030 v2(1920,1030)
PA1_B: J4.5 U2.24 | length 1273.2
  Top Layer w10: v2(1925,985) 1925,987.47 1946.43,1008.91 1980.18,1008.91 U2.24
  Top Layer w20: J4.5 v2(1375,1790)
  Bottom Layer w10: v2(1375,1790) 1355,1770 1355,1405 1750,1010 1900,1010 v2(1925,985)
PA2_Z: J3.5 U2.25 | length 1632.6
  Top Layer w10: v2(1955,950) 1975,970 1975,988.73 1975.84,989.57 U2.25
  Top Layer w20: J3.5 v2(1375,2085)
  Bottom Layer w10: v2(1375,2085) 1330,2040 1330,1407.37 1747.37,990 1885,990 1925,950 v2(1955,950)
PA4_CS: SPI.1@3185,1460 U2.29 | length 1535.1
  Top Layer w10: v2(2060,835) 2101.57,876.57 U2.29
  Bottom Layer w10: v2(2060,835) 2062.37,835 2608.37,1381 2771,1381 2900,1510 3135,1510 SPI.1@3185,1460
PA5_SCK: SPI.2@3185,1360 U2.30 | length 1468.2
  Top Layer w10: v2(2095,830) 2121.26,856.26 U2.30
  Bottom Layer w10: v2(2095,830) 2095,845 2615,1365 2870,1365 2915,1410 3135,1410 SPI.2@3185,1360
PA6_MISO: R8.1 SPI.4@3185,1160 U2.31 | length 1594.4
  Top Layer w10: v2(2125,815) 2125,818.69 2140.95,834.63 U2.31 ; R8.1 3098.5,1160 SPI.4@3185,1160
  Bottom Layer w10: v2(2125,815) 2125,850 2620,1345 2870,1345 2905,1310 3035,1310 SPI.4@3185,1160
PA7_MOSI: SPI.3@3185,1260 U2.32 | length 1718
  Top Layer w10: v2(2152.81,797.82) 2160.63,805.63 U2.32
  Bottom Layer w10: v2(2152.81,797.82) 2152.81,852.82 2625,1325 2800,1325 2915,1210 2980,1210 3085,1105 3210,1105 3235,1130 3235,1210 SPI.3@3185,1260
PA11_D-: R17.1 U2.70 | length 297.5
  Top Layer w10: U2.70 2788.58,1363.58 2815,1390 2815,1415 2826.5,1415 R17.1
PA12_D+: R18.1 U2.71 | length 265.1
  Top Layer w10: U2.71 2783.27,1383.27 2795,1395 2795,1410 2785.75,1410 2775,1420.75 R18.1
PA13_SWDIO: JP6.3 U2.72 | length 525
  Top Layer w10: U2.72 2639.99,1402.95 2640.44,1402.5 2692.5,1402.5 2720,1430 2720,1675 2745,1700 JP6.3
PA14_SWCLK: JP6.2 U2.76 | length 549.3
  Top Layer w10: v1(2510,1600) 2510,1597.38 2514.96,1592.42 U2.76
  Bottom Layer w10: v1(2510,1600) 2755,1600 2845,1690 JP6.2
PB0: JP2.2 JP5.2 U2.35 | length 1340.8
  Top Layer w10: U2.35 2219.69,750.31 2265,705 2265,400 JP2.2 JP2.2@2418.54,255
  Bottom Layer w10: JP2.2 2499.68,255 2544.14,210.54 2680.54,210.54 2715,245 2715,375 JP5.2
PB1: JP3.2 JP5.3 U2.36 | length 1156.4
  Top Layer w10: U2.36 2239.37,760.63 2290,710 2290,397.63 2382.63,305 2550,305 JP3.2 2695,255 JP5.3
PB12_CS: SPI.1@2940,1460 U2.51 | length 1056.9
  Top Layer w10: U2.51 2705.43,989.57 2810,885 2970,885 3010,925 3010,1390 SPI.1@2940,1460
PB13_SCK: SPI.2@2940,1360 U2.52 | length 911.4
  Top Layer w10: U2.52 2715.75,1009.25 2820,905 2955,905 2990,940 2990,1310 SPI.2@2940,1360
PB14_MISO: R9.1 SPI.4@2940,1160 U2.53 | length 417.3
  Top Layer w10: U2.53 2698.94,1028.94 2830,1160 SPI.4@2940,1160
PB15_MOSI: SPI.3@2940,1260 U2.54 | length 450.6
  Top Layer w10: U2.54 2683.62,1048.62 2895,1260 SPI.3@2940,1260
PC1_HX: "X Y.2" U2.16 | length 1292.7
  Top Layer w10: 1875,155 1870,160 1870,265 1830,305 1830,785 1724,891 1724,1101.63 1764.37,1142 1892,1142 1916.73,1166.73 U2.16
PC2_HY: "X Y.3" U2.17 | length 1493.6
  Top Layer w10: 1775,155 1775,140 1810,105 1900,105 1925,130 1925,185 1890,220 1890,270 1846,314 1846,791.63 1740,897.63 1740,1095 1771,1126 1906,1126 1927.05,1147.05 U2.17
PC4: JP4.2 JP5.4 U2.33 | length 1343.1
  Top Layer w10: U2.33 2177.54,924.79 2177.54,307.46 JP4.2 2337.06,255 2387.06,205 2430,205 2480,255 2527.06,255 2576.81,205.25 2745.25,205.25 JP5.4
PC5_HZ: U2.34 Z.2 | length 1491.1
  Top Layer w10: U2.34 2202.78,924.79 2202.78,734.59 2235,702.37 v2(2235,505)
  Bottom Layer w10: Z.2 1405,240 1537.5,372.5 2152.5,372.5 2235,455 v2(2235,505)
PC9: Button.2 R6.2 U2.66 | length 1300.9
  Top Layer w10: v2(1885,1960) 1885.31,1959.69 1911.81,1959.69 1925,1946.5 1929.25,1946.5 1940,1935.75 R6.2 1962.64,1931.5 1975,1919.14 1975,1520.97 2211.13,1284.84 U2.66
  Bottom Layer w10: v2(1885,1960) 1885,1963.67 1902.12,1980.79 1902.12,2000 Button.2
PC10: Button.1 R1.1 U2.78 | length 969.6
  Top Layer w10: R1.1 Button.1 2002.13,2132.87 2040,2095 2040,2075 2475.24,1639.76 2475.24,1525.35 U2.78
PC11: Button.4 R20.2 U2.79 | length 1032.7
  Top Layer w10: R20.2 Button.4 ; v2(2005,2080) 2455.91,1629.09 U2.79
  Bottom Layer w10: Button.4 1841.59,2039.47 1859.47,2039.47 1900,2080 v2(2005,2080)
PC12: Button.3 R2.1 U2.80 | length 1004.2
  Top Layer w10: R2.1 1835,2229.71 Button.3 1887.87,2080 1970,2080 2435.87,1614.13 2435.87,1525.35 U2.80
PE0: Button.6 R7.2 U2.97 | length 959.1
  Top Layer w10: R7.2 1735,1939.37 Button.6 ; v2(2015,1965) 2045,1965 2101.57,1908.43 U2.97
  Bottom Layer w10: Button.6 1735,1975 1772.81,1937.19 1922.19,1937.19 1950,1965 v2(2015,1965)
PE1: Button.5 R3.1 U2.98 | length 914.2
  Top Layer w10: R3.1 1735,2228.04 Button.5 1787.87,2080 1855,2080 1885,2050 1885,2010 1910,1985 1950,1985 2081.89,1853.11 U2.98
PE3: Button.7 R4.1 U2.2 | length 1014.9
  Top Layer w10: R4.1 1635,2226.37 Button.7 1632.87,2132.87 1580,2080 1580,1895 1860,1615 1860,1505 1922.68,1442.32 U2.2
PE9_PWM: R11.1 U2.40 | length 730.4
  Top Layer w10: v2(2315,860) 2315,863.69 2318.11,866.8 U2.40
  Top Layer w20: R11.1 v2(1790,725)
  Bottom Layer w10: v2(1790,725) 2245,725 2315,795 v2(2315,860)
PE11_DIR: R10.1 U2.42 | length 1350
  Top Layer w10: U2.42 2357.83,927.23 2357.83,862.17 v2(2360,860)
  Top Layer w20: R10.1 1527.5,1095 1527.5,957.94 1526.68,957.12 1526.68,819.3 1555,790.98 v2(1555,790)
  Bottom Layer w10: v2(1555,790) 1642.81,702.19 2252.19,702.19 2360,810 v2(2360,860)
Ref: C31.1 C34.1 L3.1 U2.21 U2.22 | length 257.8
  Top Layer w10: C34.1 C31.1 L3.1 1887.5,1062.5 1924.29,1062.5 1930.09,1068.31 U2.21 U2.22
VCC+12: C23.A R16.2 RJ1.3 | length 566.4
  Top Layer w39.37: 445,520 490,565 490,965 542.01,1017.01 567.01,1017.01 RJ1.3
VDD+5: C14.1 C22.1 E2.A J2.6 L2.2 V1.2 | length 955.9
  Top Layer w20: V1.2@955,444 955,585 965,595 L2.2 1027.5,625 1045,642.5 C22.1 1105,645 1285,645 1345,705 C14.1 1345,838.33 1343.33,840 J2.6
  Top Layer w39.37: V1.2@955,340 955,324.66 972.72,306.94 1122.19,306.94 E2.A
VDD+24: C15.1 J1.6 RJ1.1 | length 869.3
  Top Layer w12: RJ1.1 575,1115 790,1115 885,1210 940,1210 980.03,1250.03 1114.97,1250.03 1140,1225 1140,1140 1120,1120 J1.6 ; C15.1 J1.6@1055,1114.63
pads on no net: J6. J6.3 J6.6 J6.11 J6.14 RJ1.9 RJ1.10 RJ1.11 RJ1.12 RJ2.9 RJ2.10 RJ2.11 RJ2.12 U1.1 U1.2 U1.4 U2.1 U2.3 U2.4 U2.5 U2.7 U2.8 U2.9 U2.15 U2.18 U2.26 U2.38 U2.39 U2.41 U2.43 U2.44 U2.45 U2.46 U2.47 U2.48 U2.55 U2.56 U2.57 U2.58 U2.59 U2.60 U2.61 U2.62 U2.63 U2.64 U2.65 U2.67 U2.68 U2.69 U2.77 U2.81 U2.82 U2.83 U2.84 U2.85 U2.86 U2.87 U2.88 U2.89 U2.90 U2.91 U2.92 U2.93 U2.95 U2.96

## Polygon pours and split planes (outlines as drawn)
5V on Top Layer "Top Layer-5V" (solid, pour order 12): 2500,2000 2540,2040 2540,2100 2560,2120 2595,2120 2605,2110 2605,2000 2660,1945 3160,1945 3190,1915 3320,1915 3329.54,1905.46 3329.54,1894.89 3324.65,1890 3255,1890 3235,1870 2525,1870 2500,1895
GND1 on Top Layer "Top Layer-GND1" (solid, pour order 16): 1640,1425 1670,1455 1780,1455 1820,1415 1820,1315 1870,1265 1920,1265 1935,1250 1990,1250 1990,1220 1925,1220 1910,1205 1860,1205 1810,1155 1685,1155 1640,1200
VCC+12 on Top Layer "Top Layer-VDD+24" (solid, pour order 20): 375,480 445,550 445,580 470,605 530,605 540,595 540,405 500,365 395,365 375,385
3V3 on Top Layer "Top Layer-3V3 1" (solid, pour order 0): 2415,2370 2470,2425 3485,2425 3610,2300 3610,575 3475,440 3300,440 3235,505 3235,835 3385,985 3385,1915 3100,2200 2465,2200 2415,2250
GND1 on Top Layer "Top Layer-GND1 1" (solid, pour order 26): 3275,1690 3195,1690 3170,1665 3170,1615 3185,1600 3235,1600 3270,1635 3270,1645 3300,1675
GND1 on Top Layer "Top Layer-GND1 2" (solid, pour order 24): 3275,1920 3195,1920 3170,1945 3170,1995 3185,2010 3235,2010 3270,1975 3270,1965 3300,1935
3V3 on Top Layer "Top Layer-3V3 2" (solid, pour order 4): 2415,2250 2525,2140 3120,2140 3260,2000 3340,2000 3340,2015 3060,2295
NetC16_1 on Top Layer "Top Layer-NetC16_1" (solid, pour order 22): 760,480 690,550 690,580 665,605 605,605 595,595 595,405 635,365 740,365 760,385
3V3 on Top Layer "Top Layer-3V3" (solid, pour order 6): 2215,2315 2270,2370 2450,2370 2445,2365 2445,2250 2430,2235 2215,2235
GND2 on Bottom Layer (solid, pour order 46): 0,1360 400,1360 500,1260 500,1090 530,1060 585,1060 620,1025 620,930 640,910 690,910 795,1015 1230,1015 1265,980 1395,980 1455,920 1455,530 1180,255 1180,40 1151.22,11.22 63.78,11.22 0,75
COM- on Bottom Layer (solid, pour order 44): 11.22,1375 410,1375 515,1270 515,1090 530,1075 595,1075 630,1040 630,920 700,920 795,1015 1105,1015 1160,1070 1160,2145 1110,2195 0,2195
GND1 on Bottom Layer "Bottom Layer-GND1" (solid, pour order 38): 1254.57,2.48 1214.57,42.48 1214.57,237.48 1489.57,512.48 1489.57,937.48 1404.57,1022.48 1279.57,1022.48 1204.57,1097.48 1204.57,2165.43 1144.57,2225.43 1144.57,2377.48 1209.57,2442.48 3549.57,2442.48 3619.57,2372.48 3619.57,77.48 3544.57,2.48
no net on Bottom Layer "Bottom Layer-No Net 1" (solid, pour order 28): 1210,-5
no net on Bottom Layer "Bottom Layer-No Net" (solid, pour order 8): 1175,2375

## Keep-outs
Keep-Out Layer:
  circle w10: c157.48,157.48 r128.06
  circle w10: c3464.57,157.48 r128.06
  circle w10: c3464.57,2283.46 r128.06
  lines w10: 281.5,2315.39 ccw(c157.48,2283.46) 282.22,2254.48 ; 0,118.11 ccw(c118.11,118.11) 118.11,0 3503.94,0 ccw(c3503.94,118.11) 3622.05,118.11 3622.05,2322.83 ccw(c3503.94,2322.83) 3503.94,2440.94 118.11,2440.94 ccw(c118.11,2322.83) 0,2322.83 0,118.11

## Other copper
Top Layer:
  pour cut-out: 3555,2190 3590,2250 3590,2315 3560,2375 3520,2400 3455,2415 3410,2400 3375,2375 3350,2345 3335,2295 3340,2245 3365,2205 3400,2175 3430,2160 3465,2155 3500,2160 3530,2170
Bottom Layer:
  pour cut-out: 247.91,2190 282.91,2250 282.91,2315 252.91,2375 212.91,2400 147.91,2415 102.91,2400 67.91,2375 42.91,2345 27.91,2295 32.91,2245 57.91,2205 92.91,2175 122.91,2160 157.91,2155 192.91,2160 222.91,2170
  pour cut-out: 247.91,64.02 282.91,124.02 282.91,189.02 252.91,249.02 212.91,274.02 147.91,289.02 102.91,274.02 67.91,249.02 42.91,219.02 27.91,169.02 32.91,119.02 57.91,79.02 92.91,49.02 122.91,34.02 157.91,29.02 192.91,34.02 222.91,44.02
  pour cut-out: 3555,2190 3590,2250 3590,2315 3560,2375 3520,2400 3455,2415 3410,2400 3375,2375 3350,2345 3335,2295 3340,2245 3365,2205 3400,2175 3430,2160 3465,2155 3500,2160 3530,2170
  pour cut-out: 3555,64.02 3590,124.02 3590,189.02 3560,249.02 3520,274.02 3455,289.02 3410,274.02 3375,249.02 3350,219.02 3335,169.02 3340,119.02 3365,79.02 3400,49.02 3430,34.02 3465,29.02 3500,34.02 3530,44.02

## Silkscreen, mask and mechanical layers (free items; w line width, h text height)
Top Overlay:
  text "RST" at 3185,2115 h78.74 r90
  text "DIO" at 2700,1655 h78.74
  text "CLK" at 2830,1655 h78.74
  text "JLCJLCJLCJLC" at 2385,1410 h39.37 r270
  text "V1.1" at 3185,65 h31.5
Bottom Overlay:
  lines w10: 515,1590 670,1590 ; 515,1640 570,1640 ; 515,1690 670,1690 ; 515,1740 570,1740 ; 515,1840 570,1840 ; 515,1890 670,1890 ; 520,920 520,950 520,900 545,875 595,875 617.5,897.5 617.5,1027.5 590,1055 545,1055 520,1030 520,935 ; 520,1090 520,1150 540,1170 600,1170 650,1120 705,1120 720,1105 720,1025 650,1025 605,1070 540,1070 520,1090 ; 525,805 525,840 545,860 590,860 640,810 690,810 705,795 705,750 690,735 595,735 525,805
  text "/Z" at 503.25,1875 h47.24
  text "Z" at 496.95,1825 h47.24
  text "/A" at 505,1725 h47.24
  text "A" at 499.15,1675 h47.24
  text "/B" at 503.84,1625.42 h47.24
  text "B" at 496.42,1575 h47.24
  text "24V" at 810,1115 h59.06
  text "VCC / +12" at 505,965 h59.06
  text "DIR" at 805,950 h59.06
  text "Analog" at 875,760 h59.06
  text "compliant" at 710,530 h78.74
  text "mmos_DDW" at 1435,525 h137.8
  text "Tong" at 835,150 h78.74
  text "2021.1" at 685,60 h78.74
Top Solder:
  circle w10: c3464.57,157.48 r128.72
  circle w10: c3464.57,2283.46 r128.72
  circle w10: c157.48,2283.46 r128.72
  circle w10: c157.48,157.48 r128.72
  region: 3555,64.02 3590,124.02 3590,189.02 3560,249.02 3520,274.02 3455,289.02 3410,274.02 3375,249.02 3350,219.02 3335,169.02 3340,119.02 3365,79.02 3400,49.02 3430,34.02 3465,29.02 3500,34.02 3530,44.02
  region: 3555,2190 3590,2250 3590,2315 3560,2375 3520,2400 3455,2415 3410,2400 3375,2375 3350,2345 3335,2295 3340,2245 3365,2205 3400,2175 3430,2160 3465,2155 3500,2160 3530,2170
  region: 247.91,2190 282.91,2250 282.91,2315 252.91,2375 212.91,2400 147.91,2415 102.91,2400 67.91,2375 42.91,2345 27.91,2295 32.91,2245 57.91,2205 92.91,2175 122.91,2160 157.91,2155 192.91,2160 222.91,2170
  region: 247.91,64.02 282.91,124.02 282.91,189.02 252.91,249.02 212.91,274.02 147.91,289.02 102.91,274.02 67.91,249.02 42.91,219.02 27.91,169.02 32.91,119.02 57.91,79.02 92.91,49.02 122.91,34.02 157.91,29.02 192.91,34.02 222.91,44.02
Mechanical 1:
  the board outline again, w10